# KiCad board Soldered Inkplate 4 TEMPERA with glass panel_panel.kicad_pcb
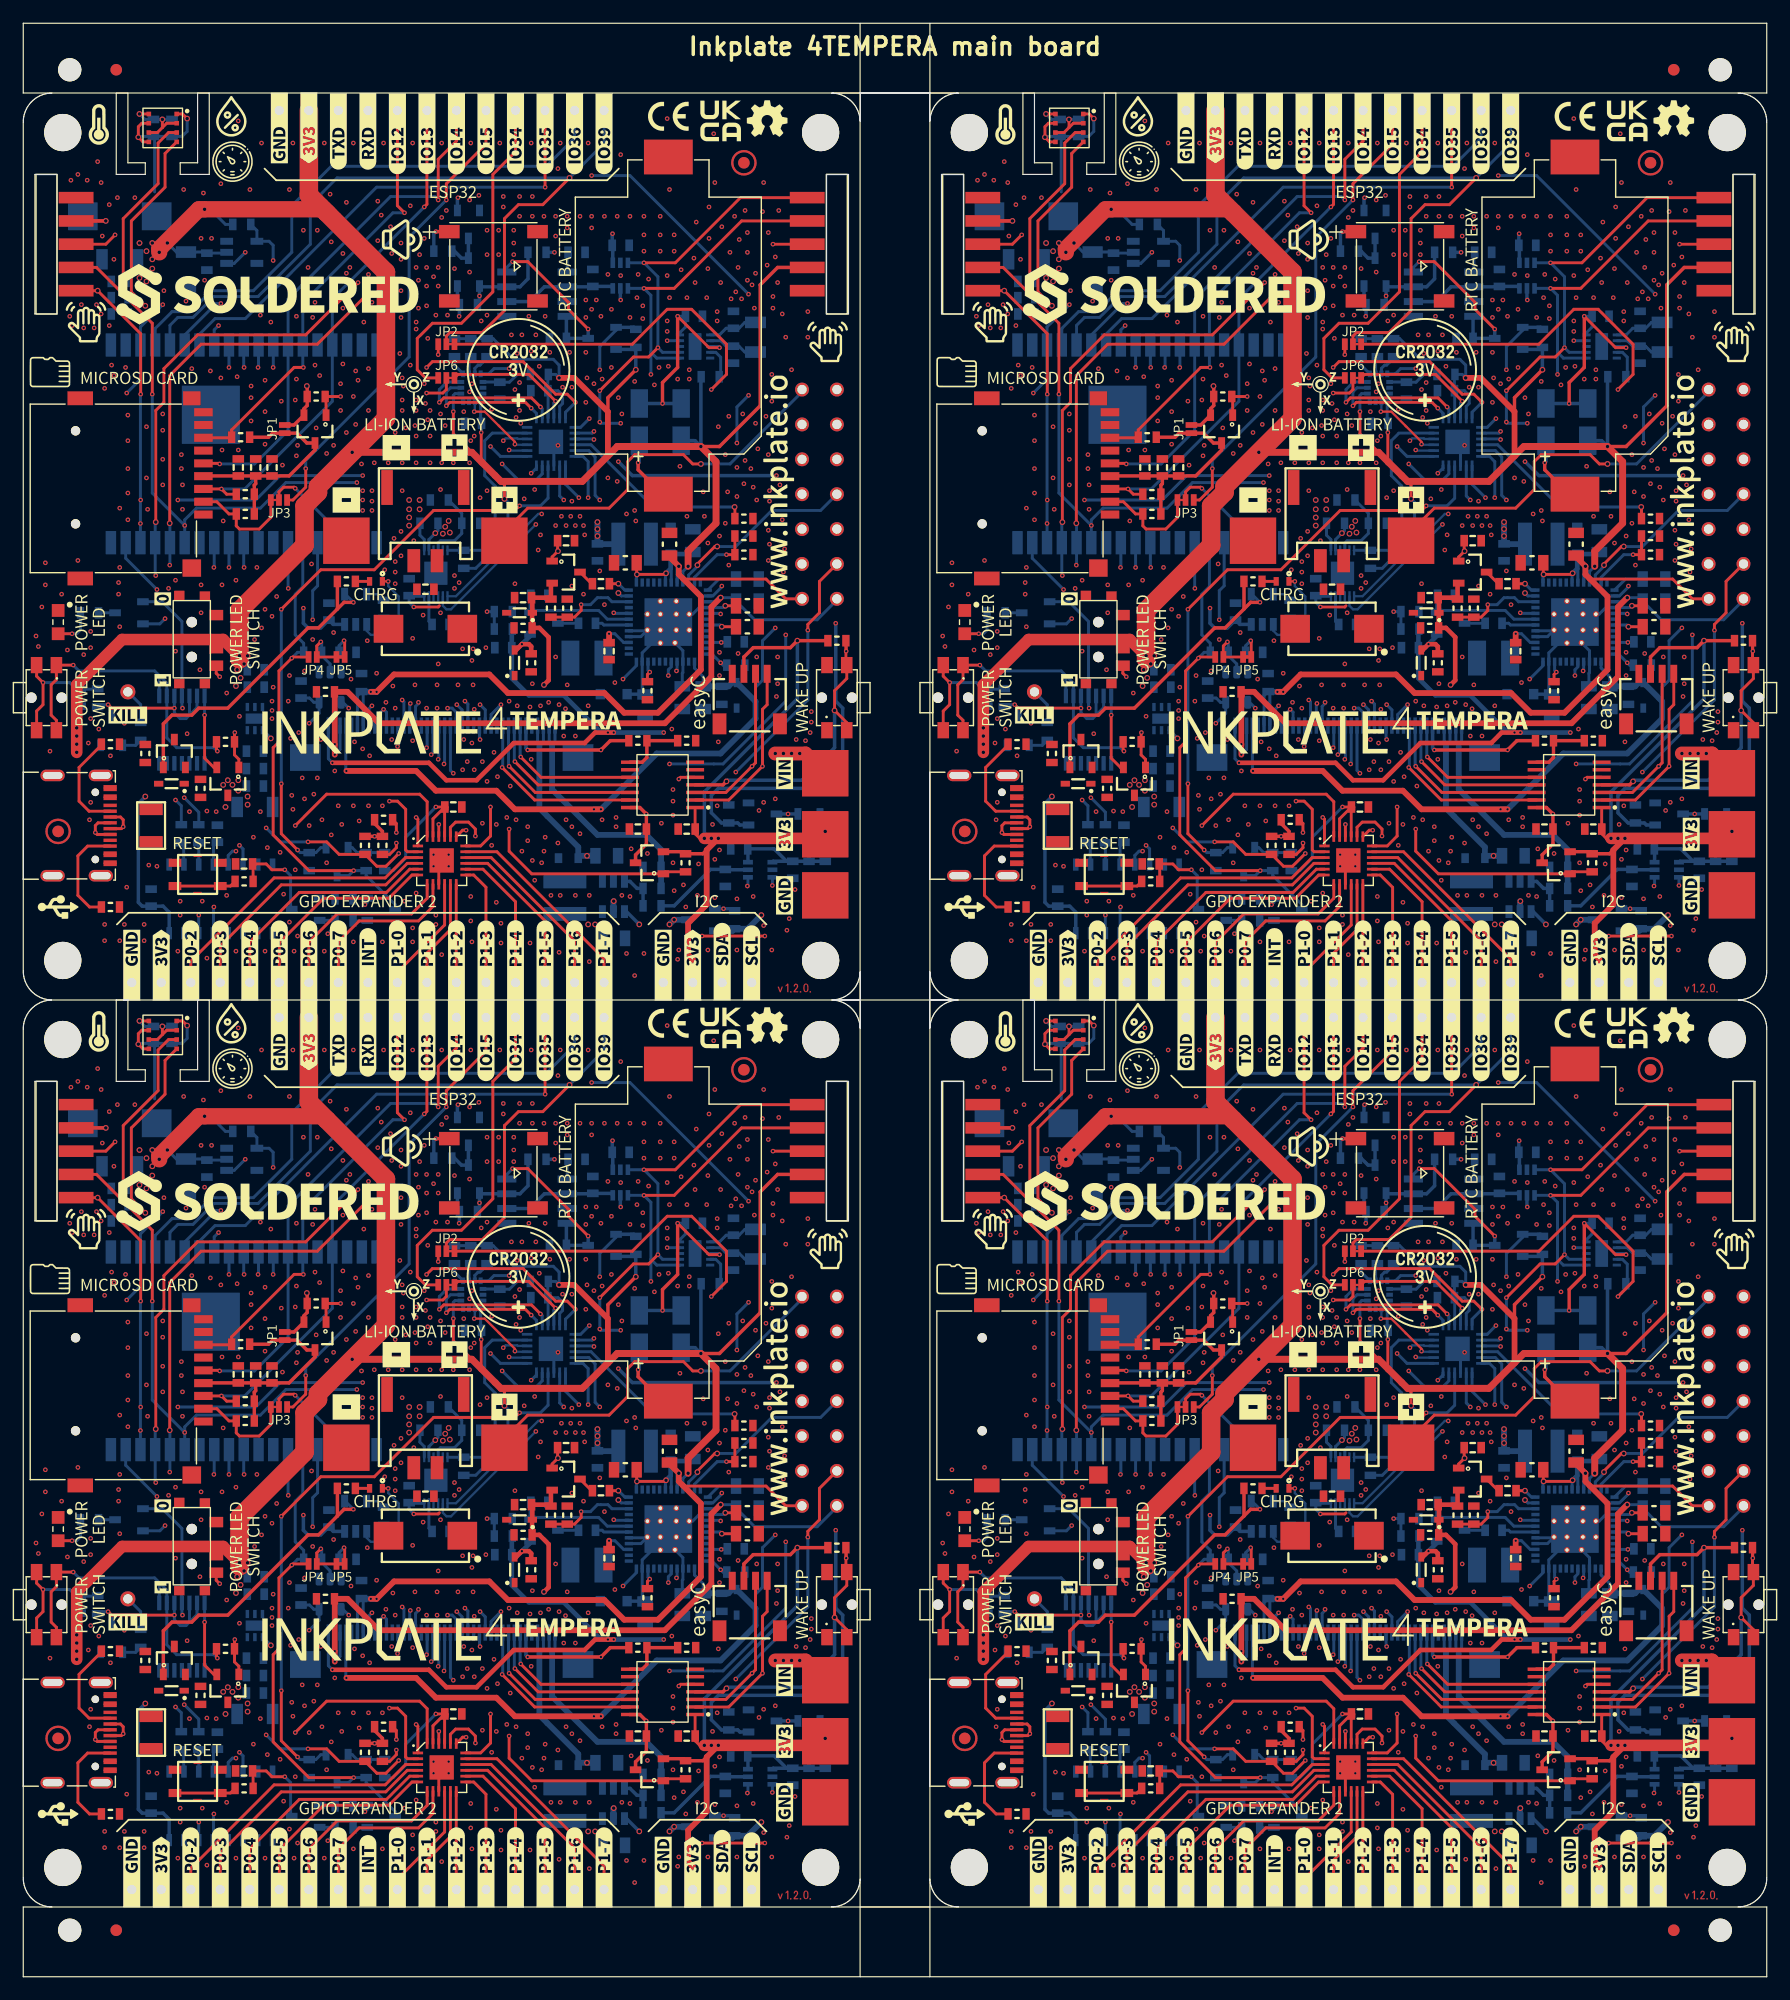
[diagram p0: board, top side]
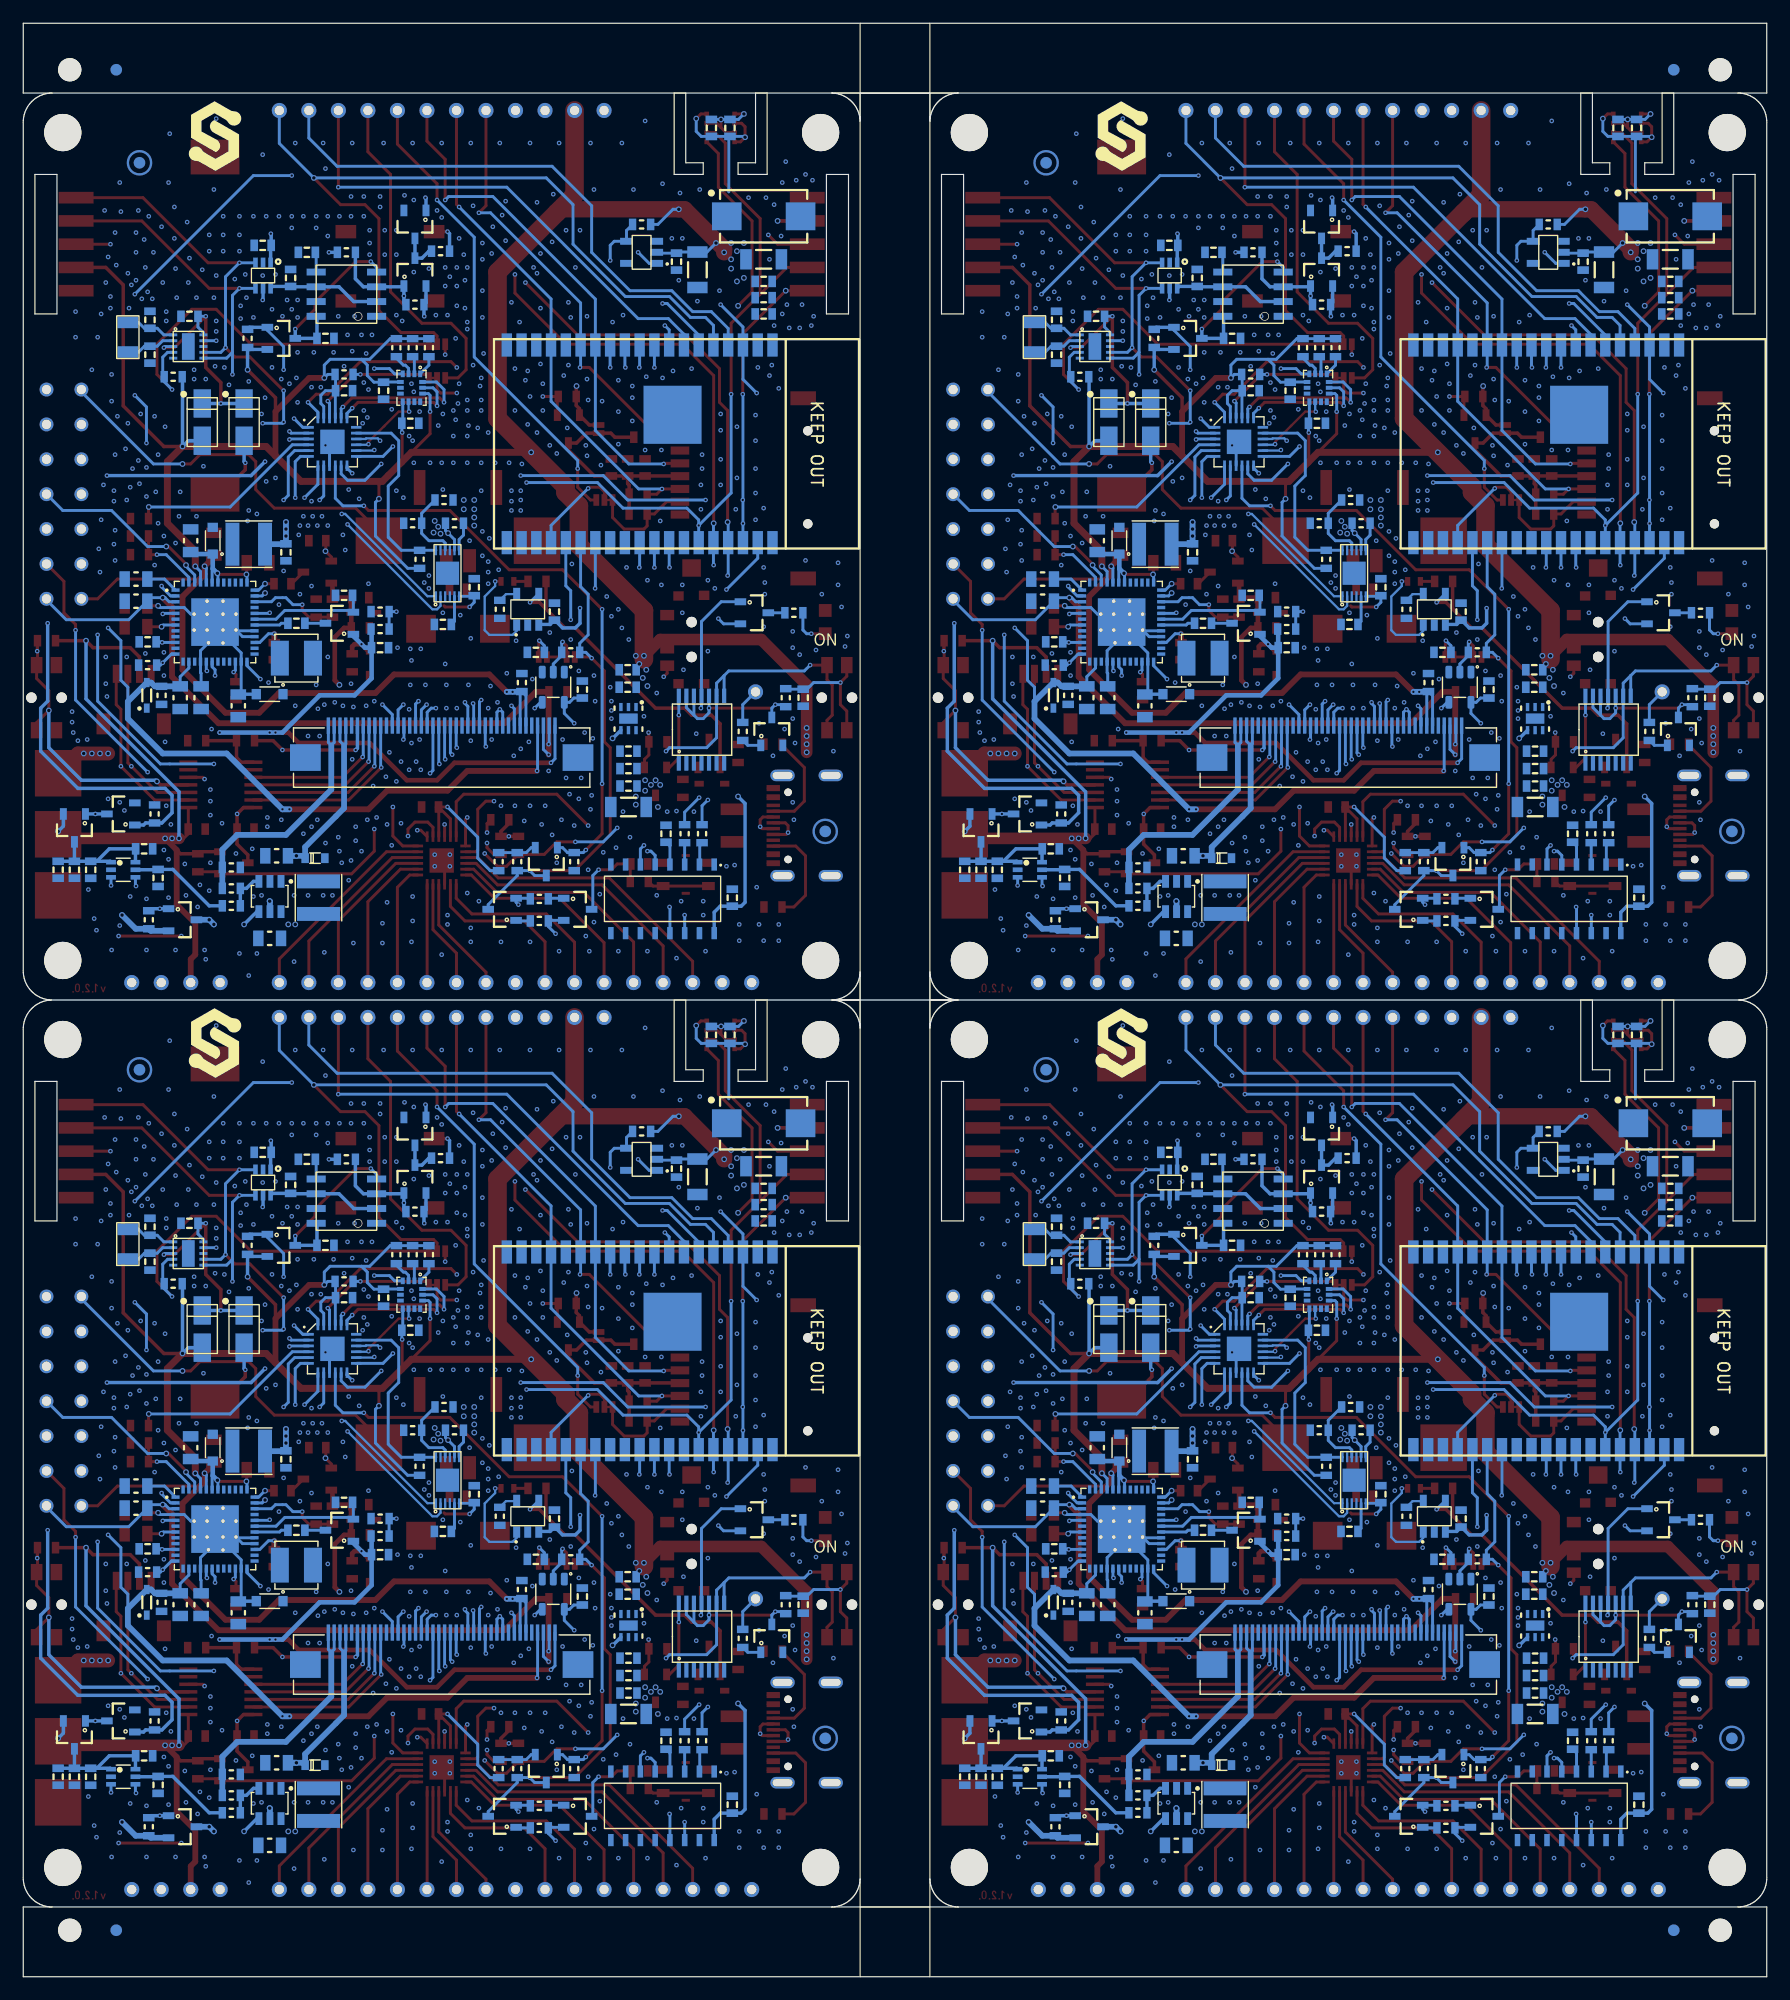
[diagram p1: board, bottom side, seen from below]

Outline 150 x 168 mm; copper layers: Top, In1.Cu, In2.Cu, Bottom. Coordinates in mm from the lower left corner of the outline.
Outline path: 2.46,162 0,162 0,168 150,168 150,162 147.54,162 ; 2.46,162 2.37,162 2.25,161.99 2.12,161.97 2,161.95 1.87,161.92 1.75,161.89 1.63,161.85 1.51,161.8 1.4,161.75 1.29,161.69 1.18,161.62 1.07,161.55 0.97,161.48 0.87,161.4 0.78,161.31 0.69,161.22 0.6,161.13 0.52,161.03 0.45,160.93 0.38,160.82 0.31,160.71 0.26,160.6 0.2,160.49 0.16,160.37 0.11,160.25 0.08,160.13 0.05,160 0.03,159.88 0.01,159.75 0,159.63 0,159.5 0,86.5 0,86.37 0.01,86.25 0.03,86.12 0.05,86 0.08,85.87 0.11,85.75 0.16,85.63 0.2,85.51 0.26,85.4 0.31,85.29 0.38,85.18 0.45,85.07 0.52,84.97 0.6,84.87 0.69,84.78 0.78,84.69 0.87,84.6 0.97,84.52 1.07,84.45 1.18,84.38 1.29,84.31 1.4,84.25 1.51,84.2 1.63,84.15 1.75,84.11 1.87,84.08 2,84.05 2.12,84.03 2.25,84.01 2.37,84 2.42,84 147.58,84 147.63,84 147.75,83.99 147.88,83.97 148,83.95 148.13,83.92 148.25,83.89 148.37,83.85 148.49,83.8 148.6,83.75 148.71,83.69 148.82,83.62 148.93,83.55 149.03,83.48 149.13,83.4 149.22,83.31 149.31,83.22 149.4,83.13 149.48,83.03 149.55,82.93 149.62,82.82 149.69,82.71 149.75,82.6 149.8,82.49 149.85,82.37 149.89,82.25 149.92,82.13 149.95,82 149.97,81.88 149.99,81.75 150,81.63 150,81.5 150,8.5 150,8.37 149.99,8.25 149.97,8.12 149.95,8 149.92,7.87 149.89,7.75 149.85,7.63 149.8,7.51 149.75,7.4 149.69,7.29 149.62,7.18 149.55,7.07 149.48,6.97 149.4,6.87 149.31,6.78 149.22,6.69 149.13,6.6 149.03,6.52 148.93,6.45 148.82,6.38 148.71,6.31 148.6,6.25 148.49,6.2 148.37,6.15 148.25,6.11 148.13,6.08 148,6.05 147.88,6.03 147.75,6.01 147.63,6 147.54,6 ; 2.46,162 147.54,162 ; 2.46,6 2.37,6 2.25,6.01 2.12,6.03 2,6.05 1.87,6.08 1.75,6.11 1.63,6.15 1.51,6.2 1.4,6.25 1.29,6.31 1.18,6.38 1.07,6.45 0.97,6.52 0.87,6.6 0.78,6.69 0.69,6.78 0.6,6.87 0.52,6.97 0.45,7.07 0.38,7.18 0.31,7.29 0.26,7.4 0.2,7.51 0.16,7.63 0.11,7.75 0.08,7.87 0.05,8 0.03,8.12 0.01,8.25 0,8.37 0,8.5 0,81.5 0,81.63 0.01,81.75 0.03,81.88 0.05,82 0.08,82.13 0.11,82.25 0.16,82.37 0.2,82.49 0.26,82.6 0.31,82.71 0.38,82.82 0.45,82.93 0.52,83.03 0.6,83.13 0.69,83.22 0.78,83.31 0.87,83.4 0.97,83.48 1.07,83.55 1.18,83.62 1.29,83.69 1.4,83.75 1.51,83.8 1.63,83.85 1.75,83.89 1.87,83.92 2,83.95 2.12,83.97 2.25,83.99 2.37,84 2.42,84 ; 2.46,6 0,6 0,0 150,0 150,6 147.54,6 ; 2.46,6 69.54,6 ; 147.54,162 147.63,162 147.75,161.99 147.88,161.97 148,161.95 148.13,161.92 148.25,161.89 148.37,161.85 148.49,161.8 148.6,161.75 148.71,161.69 148.82,161.62 148.93,161.55 149.03,161.48 149.13,161.4 149.22,161.31 149.31,161.22 149.4,161.13 149.48,161.03 149.55,160.93 149.62,160.82 149.69,160.71 149.75,160.6 149.8,160.49 149.85,160.37 149.89,160.25 149.92,160.13 149.95,160 149.97,159.88 149.99,159.75 150,159.63 150,159.5 150,86.5 150,86.37 149.99,86.25 149.97,86.12 149.95,86 149.92,85.87 149.89,85.75 149.85,85.63 149.8,85.51 149.75,85.4 149.69,85.29 149.62,85.18 149.55,85.07 149.48,84.97 149.4,84.87 149.31,84.78 149.22,84.69 149.13,84.6 149.03,84.52 148.93,84.45 148.82,84.38 148.71,84.31 148.6,84.25 148.49,84.2 148.37,84.15 148.25,84.11 148.13,84.08 148,84.05 147.88,84.03 147.75,84.01 147.63,84 147.58,84 ; 69.54,6 69.63,6 69.75,6.01 69.88,6.03 70,6.05 70.13,6.08 70.25,6.11 70.37,6.15 70.49,6.2 70.6,6.25 70.71,6.31 70.82,6.38 70.93,6.45 71.03,6.52 71.13,6.6 71.22,6.69 71.31,6.78 71.4,6.87 71.48,6.97 71.55,7.07 71.62,7.18 71.69,7.29 71.75,7.4 71.8,7.51 71.85,7.63 71.89,7.75 71.92,7.87 71.95,8 71.97,8.12 71.99,8.25 72,8.37 72,8.42 ; 69.54,6 80.46,6 ; 72,0 72,168 ; 72,6 78,6 ; 78,168 78,0 ; 78,8.42 78,8.37 78.01,8.25 78.03,8.12 78.05,8 78.08,7.87 78.11,7.75 78.16,7.63 78.2,7.51 78.26,7.4 78.31,7.29 78.38,7.18 78.45,7.07 78.52,6.97 78.6,6.87 78.69,6.78 78.78,6.69 78.87,6.6 78.97,6.52 79.07,6.45 79.18,6.38 79.29,6.31 79.4,6.25 79.51,6.2 79.63,6.15 79.75,6.11 79.87,6.08 80,6.05 80.12,6.03 80.25,6.01 80.37,6 80.46,6 ; 80.46,6 147.54,6 ; 1,155 2.9,155 2.9,143 1,143 1,155 ; 1,77 2.9,77 2.9,65 1,65 1,77 ; 8,162 9,162 9,156 10.5,156 10.5,155 8,155 8,162 ; 8,84 9,84 9,78 10.5,78 10.5,77 8,77 8,84 ; 13.5,156 15,156 15,162 16,162 16,155 13.5,155 13.5,156 ; 13.5,78 15,78 15,84 16,84 16,77 13.5,77 13.5,78 ; 69.1,155 71,155 71,143 69.1,143 69.1,155 ; 69.1,77 71,77 71,65 69.1,65 69.1,77 ; 69.54,162 80.46,162 80.37,162 80.25,161.99 80.12,161.97 80,161.95 79.87,161.92 79.75,161.89 79.63,161.85 79.51,161.8 79.4,161.75 79.29,161.69 79.18,161.62 79.07,161.55 78.97,161.48 78.87,161.4 78.78,161.31 78.69,161.22 78.6,161.13 78.52,161.03 78.45,160.93 78.38,160.82 78.31,160.71 78.26,160.6 78.2,160.49 78.16,160.37 78.11,160.25 78.08,160.13 78.05,160 78.03,159.88 78.01,159.75 78,159.63 78,159.58 78,162 72,162 72,159.58 72,159.63 71.99,159.75 71.97,159.88 71.95,160 71.92,160.13 71.89,160.25 71.85,160.37 71.8,160.49 71.75,160.6 71.69,160.71 71.62,160.82 71.55,160.93 71.48,161.03 71.4,161.13 71.31,161.22 71.22,161.31 71.13,161.4 71.03,161.48 70.93,161.55 70.82,161.62 70.71,161.69 70.6,161.75 70.49,161.8 70.37,161.85 70.25,161.89 70.13,161.92 70,161.95 69.88,161.97 69.75,161.99 69.63,162 69.54,162 ; 69.58,84 69.63,84 69.75,84.01 69.88,84.03 70,84.05 70.13,84.08 70.25,84.11 70.37,84.15 70.49,84.2 70.6,84.25 70.71,84.31 70.82,84.38 70.93,84.45 71.03,84.52 71.13,84.6 71.22,84.69 71.31,84.78 71.4,84.87 71.48,84.97 71.55,85.07 71.62,85.18 71.69,85.29 71.75,85.4 71.8,85.51 71.85,85.63 71.89,85.75 71.92,85.87 71.95,86 71.97,86.12 71.99,86.25 72,86.37 72,86.42 72,84 69.58,84 ; 69.58,84 72,84 72,81.58 72,81.63 71.99,81.75 71.97,81.88 71.95,82 71.92,82.13 71.89,82.25 71.85,82.37 71.8,82.49 71.75,82.6 71.69,82.71 71.62,82.82 71.55,82.93 71.48,83.03 71.4,83.13 71.31,83.22 71.22,83.31 71.13,83.4 71.03,83.48 70.93,83.55 70.82,83.62 70.71,83.69 70.6,83.75 70.49,83.8 70.37,83.85 70.25,83.89 70.13,83.92 70,83.95 69.88,83.97 69.75,83.99 69.63,84 69.58,84 ; 78,86.42 78,86.37 78.01,86.25 78.03,86.12 78.05,86 78.08,85.87 78.11,85.75 78.16,85.63 78.2,85.51 78.26,85.4 78.31,85.29 78.38,85.18 78.45,85.07 78.52,84.97 78.6,84.87 78.69,84.78 78.78,84.69 78.87,84.6 78.97,84.52 79.07,84.45 79.18,84.38 79.29,84.31 79.4,84.25 79.51,84.2 79.63,84.15 79.75,84.11 79.87,84.08 80,84.05 80.12,84.03 80.25,84.01 80.37,84 80.42,84 78,84 78,86.42 ; 78,84 80.42,84 80.37,84 80.25,83.99 80.12,83.97 80,83.95 79.87,83.92 79.75,83.89 79.63,83.85 79.51,83.8 79.4,83.75 79.29,83.69 79.18,83.62 79.07,83.55 78.97,83.48 78.87,83.4 78.78,83.31 78.69,83.22 78.6,83.13 78.52,83.03 78.45,82.93 78.38,82.82 78.31,82.71 78.26,82.6 78.2,82.49 78.16,82.37 78.11,82.25 78.08,82.13 78.05,82 78.03,81.88 78.01,81.75 78,81.63 78,81.58 78,84 ; 79,155 80.9,155 80.9,143 79,143 79,155 ; 79,77 80.9,77 80.9,65 79,65 79,77 ; 86,162 87,162 87,156 88.5,156 88.5,155 86,155 86,162 ; 86,84 87,84 87,78 88.5,78 88.5,77 86,77 86,84 ; 91.5,156 93,156 93,162 94,162 94,155 91.5,155 91.5,156 ; 91.5,78 93,78 93,84 94,84 94,77 91.5,77 91.5,78 ; 147.1,155 149,155 149,143 147.1,143 147.1,155 ; 147.1,77 149,77 149,65 147.1,65 147.1,77
Stack: Top 0.035mm / dielectric 0.48mm FR4 er 4.5 / In1.Cu 0.035mm / dielectric 0.48mm FR4 er 4.5 / In2.Cu 0.035mm / dielectric 0.48mm FR4 er 4.5 / Bottom 0.035mm

## Placement (name value [footprint] x y rotation side)
C1  4u7-TMK212AB7475KG-T  [0805C]  140.3 42.2 180 bottom
C1#2  4u7-TMK212AB7475KG-T  [0805C]  140.3 120.2 180 bottom
C1#3  4u7-TMK212AB7475KG-T  [0805C]  62.3 120.2 180 bottom
C1#4  4u7-TMK212AB7475KG-T  [0805C]  62.3 42.2 180 bottom
C2  4u7-TMK212AB7475KG-T  [0805C]  140.3 118.3 180 bottom
C2#2  4u7-TMK212AB7475KG-T  [0805C]  140.3 40.3 180 bottom
C2#3  4u7-TMK212AB7475KG-T  [0805C]  62.3 118.3 180 bottom
C2#4  4u7-TMK212AB7475KG-T  [0805C]  62.3 40.3 180 bottom
C3  4u7-TMK212AB7475KG-T  [0805C]  140.3 39.9 180 top
C3#2  4u7-TMK212AB7475KG-T  [0805C]  140.3 117.9 180 top
C3#3  4u7-TMK212AB7475KG-T  [0805C]  62.3 117.9 180 top
C3#4  4u7-TMK212AB7475KG-T  [0805C]  62.3 39.9 180 top
C4  4u7-TMK212AB7475KG-T  [0805C]  62.3 116.1 180 top
C4#2  4u7-TMK212AB7475KG-T  [0805C]  62.3 38.1 180 top
C4#3  4u7-TMK212AB7475KG-T  [0805C]  140.3 38.1 180 top
C4#4  4u7-TMK212AB7475KG-T  [0805C]  140.3 116.1 180 top
C5  4u7-TMK212AB7475KG-T  [0805C]  131.5 109.3 90 bottom
C5#2  4u7-TMK212AB7475KG-T  [0805C]  53.5 31.3 90 bottom
C5#3  4u7-TMK212AB7475KG-T  [0805C]  53.5 109.3 90 bottom
C5#4  4u7-TMK212AB7475KG-T  [0805C]  131.5 31.3 90 bottom
C6  10u-GRM188R61E106KA73J  [0603C]  139.3 114.8 180 bottom
C6#2  10u-GRM188R61E106KA73J  [0603C]  139.3 36.8 180 bottom
C6#3  10u-GRM188R61E106KA73J  [0603C]  61.3 114.8 180 bottom
C6#4  10u-GRM188R61E106KA73J  [0603C]  61.3 36.8 180 bottom
C7  4u7-TMK212AB7475KG-T  [0805C]  58.5 110 90 bottom
C7#2  4u7-TMK212AB7475KG-T  [0805C]  136.5 32 90 bottom
C7#3  4u7-TMK212AB7475KG-T  [0805C]  58.5 32 90 bottom
C7#4  4u7-TMK212AB7475KG-T  [0805C]  136.5 110 90 bottom
C8  4u7-TMK212AB7475KG-T  [0805C]  56.7 32 90 bottom
C8#2  4u7-TMK212AB7475KG-T  [0805C]  56.7 110 90 bottom
C8#3  4u7-TMK212AB7475KG-T  [0805C]  134.7 110 90 bottom
C8#4  4u7-TMK212AB7475KG-T  [0805C]  134.7 32 90 bottom
C9  10u-GRM188R61E106KA73J  [0603C]  50.4 114 90 top
C9#2  10u-GRM188R61E106KA73J  [0603C]  128.4 114 90 top
C9#3  10u-GRM188R61E106KA73J  [0603C]  50.4 36 90 top
C9#4  10u-GRM188R61E106KA73J  [0603C]  128.4 36 90 top
C10  10u-GRM188R61E106KA73J  [0603C]  127.4 44.5 90 bottom
C10#2  10u-GRM188R61E106KA73J  [0603C]  127.4 122.5 90 bottom
C10#3  10u-GRM188R61E106KA73J  [0603C]  49.4 44.5 90 bottom
C10#4  10u-GRM188R61E106KA73J  [0603C]  49.4 122.5 90 bottom
C11  4u7-TMK212AB7475KG-T  [0805C]  57.6 123.5 270 bottom
C11#2  4u7-TMK212AB7475KG-T  [0805C]  135.6 45.5 270 bottom
C11#3  4u7-TMK212AB7475KG-T  [0805C]  57.6 45.5 270 bottom
C11#4  4u7-TMK212AB7475KG-T  [0805C]  135.6 123.5 270 bottom
C12  4u7-TMK212AB7475KG-T  [0805C]  129.8 43.6 0 top
C12#2  4u7-TMK212AB7475KG-T  [0805C]  129.8 121.6 0 top
C12#3  4u7-TMK212AB7475KG-T  [0805C]  51.8 43.6 0 top
C12#4  4u7-TMK212AB7475KG-T  [0805C]  51.8 121.6 0 top
C13  4u7-TMK212AB7475KG-T  [0805C]  55.6 45.2 270 top
C13#2  4u7-TMK212AB7475KG-T  [0805C]  133.6 123.2 270 top
C13#3  4u7-TMK212AB7475KG-T  [0805C]  133.6 45.2 270 top
C13#4  4u7-TMK212AB7475KG-T  [0805C]  55.6 123.2 270 top
C14  2u2-GRM188R61E225MA12D  [0603C]  41.3 114.3 0 bottom
C14#2  2u2-GRM188R61E225MA12D  [0603C]  119.3 114.3 0 bottom
C14#3  2u2-GRM188R61E225MA12D  [0603C]  41.3 36.3 0 bottom
C14#4  2u2-GRM188R61E225MA12D  [0603C]  119.3 36.3 0 bottom
C15  2u2-GRM188R61E225MA12D  [0603C]  43 118.6 0 top
C15#2  2u2-GRM188R61E225MA12D  [0603C]  121 118.6 0 top
C15#3  2u2-GRM188R61E225MA12D  [0603C]  43 40.6 0 top
C15#4  2u2-GRM188R61E225MA12D  [0603C]  121 40.6 0 top
C16  10n-AC0603KRX7R8BB103  [0603C]  48.5 116.4 0 bottom
C16#2  10n-AC0603KRX7R8BB103  [0603C]  126.5 116.4 0 bottom
C16#3  10n-AC0603KRX7R8BB103  [0603C]  48.5 38.4 0 bottom
C16#4  10n-AC0603KRX7R8BB103  [0603C]  126.5 38.4 0 bottom
C17  10n-AC0603KRX7R8BB103  [0603C]  127.7 41.8 180 top
C17#2  10n-AC0603KRX7R8BB103  [0603C]  127.7 119.8 180 top
C17#3  10n-AC0603KRX7R8BB103  [0603C]  49.7 119.8 180 top
C17#4  10n-AC0603KRX7R8BB103  [0603C]  49.7 41.8 180 top
C18  100n-AC0603KRX7R8BB104  [0603C]  44.4 118.8 180 bottom
C18#2  100n-AC0603KRX7R8BB104  [0603C]  122.4 40.8 180 bottom
C18#3  100n-AC0603KRX7R8BB104  [0603C]  122.4 118.8 180 bottom
C18#4  100n-AC0603KRX7R8BB104  [0603C]  44.4 40.8 180 bottom
C19  100n-AC0603KRX7R8BB104  [0603C]  46.7 45.5 180 top
C19#2  100n-AC0603KRX7R8BB104  [0603C]  124.7 123.5 180 top
C19#3  100n-AC0603KRX7R8BB104  [0603C]  46.7 123.5 180 top
C19#4  100n-AC0603KRX7R8BB104  [0603C]  124.7 45.5 180 top
C20  10u  [1206C]  97.93 22.6 180 bottom
C20#2  10u  [1206C]  19.93 100.6 180 bottom
C20#3  10u  [1206C]  19.93 22.6 180 bottom
C20#4  10u  [1206C]  97.93 100.6 180 bottom
C21  2u2  [0603C]  97.93 24.4 180 bottom
C21#2  2u2  [0603C]  19.93 24.4 180 bottom
C21#3  2u2  [0603C]  19.93 102.4 180 bottom
C21#4  2u2  [0603C]  97.93 102.4 180 bottom
C22  100n  [0603C]  97.93 25.9 180 bottom
C22#2  100n  [0603C]  19.93 25.9 180 bottom
C22#3  100n  [0603C]  97.93 103.9 180 bottom
C22#4  100n  [0603C]  19.93 103.9 180 bottom
C23  100n  [0603C]  97.93 27.4 180 bottom
C23#2  100n  [0603C]  19.93 27.4 180 bottom
C23#3  100n  [0603C]  19.93 105.4 180 bottom
C23#4  100n  [0603C]  97.93 105.4 180 bottom
C24  2u2  [0603C]  98 34.4 180 bottom
C24#2  2u2  [0603C]  20 112.4 180 bottom
C24#3  2u2  [0603C]  98 112.4 180 bottom
C24#4  2u2  [0603C]  20 34.4 180 bottom
C25  10u  [1206C]  92 146.8 90 bottom
C25#2  10u  [1206C]  14 146.8 90 bottom
C25#3  10u  [1206C]  92 68.8 90 bottom
C25#4  10u  [1206C]  14 68.8 90 bottom
C26  100n  [0603C]  98 110.9 180 bottom
C26#2  100n  [0603C]  20 110.9 180 bottom
C26#3  100n  [0603C]  98 32.9 180 bottom
C26#4  100n  [0603C]  20 32.9 180 bottom
C27  100n  [0603C]  93.8 147.5 90 bottom
C27#2  100n  [0603C]  15.8 69.5 90 bottom
C27#3  100n  [0603C]  15.8 147.5 90 bottom
C27#4  100n  [0603C]  93.8 69.5 90 bottom
C28  470n  [0603C]  113.9 116.3 0 bottom
C28#2  470n  [0603C]  113.9 38.3 0 bottom
C28#3  470n  [0603C]  35.9 116.3 0 bottom
C28#4  470n  [0603C]  35.9 38.3 0 bottom
C29  1u  [0603C]  111.2 41.5 270 bottom
C29#2  1u  [0603C]  33.2 41.5 270 bottom
C29#3  1u  [0603C]  111.2 119.5 270 bottom
C29#4  1u  [0603C]  33.2 119.5 270 bottom
C30  DNP  [2917C]  112.6 115.93 180 top
C30#2  DNP  [2917C]  112.6 37.93 180 top
C30#3  DNP  [2917C]  34.6 37.93 180 top
C30#4  DNP  [2917C]  34.6 115.93 180 top
C31  2u2  [0603C]  34.6 41.32 0 top
C31#2  2u2  [0603C]  112.6 119.33 0 top
C31#3  2u2  [0603C]  34.6 119.33 0 top
C31#4  2u2  [0603C]  112.6 41.32 0 top
C32  100n  [0603C]  89 14.8 270 bottom
C32#2  100n  [0603C]  11 14.8 270 bottom
C32#3  100n  [0603C]  11 92.8 270 bottom
C32#4  100n  [0603C]  89 92.8 270 bottom
C33  100n  [0603C]  94.7 98.3 270 bottom
C33#2  100n  [0603C]  94.7 20.3 270 bottom
C33#3  100n  [0603C]  16.7 20.3 270 bottom
C33#4  100n  [0603C]  16.7 98.3 270 bottom
C34  2u2  [0603C]  19 17.7 0 top
C34#2  2u2  [0603C]  19 95.7 0 top
C34#3  2u2  [0603C]  97 17.7 0 top
C34#4  2u2  [0603C]  97 95.7 0 top
C35  100n  [0603C]  82.9 110 90 bottom
C35#2  100n  [0603C]  4.9 32 90 bottom
C35#3  100n  [0603C]  82.9 32 90 bottom
C35#4  100n  [0603C]  4.9 110 90 bottom
C36  12p  [0603C]  61.1 142.5 270 bottom
C36#2  12p  [0603C]  139.1 142.5 270 bottom
C36#3  12p  [0603C]  61.1 64.5 270 bottom
C36#4  12p  [0603C]  139.1 64.5 270 bottom
C37  12p  [0603C]  61.1 61.5 90 bottom
C37#2  12p  [0603C]  61.1 139.5 90 bottom
C37#3  12p  [0603C]  139.1 61.5 90 bottom
C37#4  12p  [0603C]  139.1 139.5 90 bottom
C38  100n  [0603C]  135.7 64.8 180 bottom
C38#2  100n  [0603C]  135.7 142.8 180 bottom
C38#3  100n  [0603C]  57.7 64.8 180 bottom
C38#4  100n  [0603C]  57.7 142.8 180 bottom
C39  2u2  [0603C]  99.4 51.8 270 top
C39#2  2u2  [0603C]  21.4 51.8 270 top
C39#3  2u2  [0603C]  21.4 129.8 270 top
C39#4  2u2  [0603C]  99.4 129.8 270 top
C40  100n  [0603C]  20 129.8 270 top
C40#2  100n  [0603C]  98 129.8 270 top
C40#3  100n  [0603C]  98 51.8 270 top
C40#4  100n  [0603C]  20 51.8 270 top
C41  100n  [0603C]  18.5 129.8 270 top
C41#2  100n  [0603C]  96.5 129.8 270 top
C41#3  100n  [0603C]  96.5 51.8 270 top
C41#4  100n  [0603C]  18.5 51.8 270 top
C42  100n  [0603C]  135.08 20.7 0 top
C42#2  100n  [0603C]  57.08 20.7 0 top
C42#3  100n  [0603C]  135.08 98.7 0 top
C42#4  100n  [0603C]  57.08 98.7 0 top
C43  4u7  [0603C]  147 17.2 270 bottom
C43#2  4u7  [0603C]  69 17.2 270 bottom
C43#3  4u7  [0603C]  147 95.2 270 bottom
C43#4  4u7  [0603C]  69 95.2 270 bottom
C44  1u  [0603C]  67.6 95.2 270 bottom
C44#2  1u  [0603C]  145.6 95.2 270 bottom
C44#3  1u  [0603C]  145.6 17.2 270 bottom
C44#4  1u  [0603C]  67.6 17.2 270 bottom
C45  100n  [0603C]  66.2 17.2 270 bottom
C45#2  100n  [0603C]  144.2 95.2 270 bottom
C45#3  100n  [0603C]  144.2 17.2 270 bottom
C45#4  100n  [0603C]  66.2 95.2 270 bottom
C46  100p  [0603C]  105.9 113.9 180 bottom
C46#2  100p  [0603C]  105.9 35.9 180 bottom
C46#3  100p  [0603C]  27.9 35.9 180 bottom
C46#4  100p  [0603C]  27.9 113.9 180 bottom
C47  100n  [0603C]  139.6 97 0 bottom
C47#2  100n  [0603C]  61.6 97 0 bottom
C47#3  100n  [0603C]  139.6 19 0 bottom
C47#4  100n  [0603C]  61.6 19 0 bottom
C48  100n  [0603C]  138.4 16.5 90 bottom
C48#2  100n  [0603C]  138.4 94.5 90 bottom
C48#3  100n  [0603C]  60.4 16.5 90 bottom
C48#4  100n  [0603C]  60.4 94.5 90 bottom
C49  100n  [0603C]  130.88 98.7 180 top
C49#2  100n  [0603C]  52.88 20.7 180 top
C49#3  100n  [0603C]  130.88 20.7 180 top
C49#4  100n  [0603C]  52.88 98.7 180 top
C50  CL21B105KBFNNNG  [0805C]  50.2 18.4 180 bottom
C50#2  CL21B105KBFNNNG  [0805C]  128.2 96.4 180 bottom
C50#3  CL21B105KBFNNNG  [0805C]  50.2 96.4 180 bottom
C50#4  CL21B105KBFNNNG  [0805C]  128.2 18.4 180 bottom
C51  100n  [0603C]  101.9 32.7 270 bottom
C51#2  100n  [0603C]  23.9 110.7 270 bottom
C51#3  100n  [0603C]  101.9 110.7 270 bottom
C51#4  100n  [0603C]  23.9 32.7 270 bottom
C52  CL21B105KBFNNNG  [0805C]  128.8 89.3 180 bottom
C52#2  CL21B105KBFNNNG  [0805C]  50.8 89.3 180 bottom
C52#3  CL21B105KBFNNNG  [0805C]  128.8 11.3 180 bottom
C52#4  CL21B105KBFNNNG  [0805C]  50.8 11.3 180 bottom
C53  100n  [0603C]  122.4 58.4 0 bottom
C53#2  100n  [0603C]  44.4 136.4 0 bottom
C53#3  100n  [0603C]  122.4 136.4 0 bottom
C53#4  100n  [0603C]  44.4 58.4 0 bottom
C54  DNP  [2917C]  8.3 73.4 180 bottom
C54#2  DNP  [2917C]  86.3 151.4 180 bottom
C54#3  DNP  [2917C]  8.3 151.4 180 bottom
C54#4  DNP  [2917C]  86.3 73.4 180 bottom
C55  10u  [1206C]  86.3 69.7 0 bottom
C55#2  10u  [1206C]  8.3 147.7 0 bottom
C55#3  10u  [1206C]  8.3 69.7 0 bottom
C55#4  10u  [1206C]  86.3 147.7 0 bottom
C56  2u2  [0603C]  8.3 67.8 0 bottom
C56#2  2u2  [0603C]  86.3 67.8 0 bottom
C56#3  2u2  [0603C]  86.3 145.8 0 bottom
C56#4  2u2  [0603C]  8.3 145.8 0 bottom
C57  100n  [0603C]  86.3 144.4 0 bottom
C57#2  100n  [0603C]  8.3 66.4 0 bottom
C57#3  100n  [0603C]  8.3 144.4 0 bottom
C57#4  100n  [0603C]  86.3 66.4 0 bottom
C58  100n  [0603C]  86.3 65 0 bottom
C58#2  100n  [0603C]  86.3 143 0 bottom
C58#3  100n  [0603C]  8.3 143 0 bottom
C58#4  100n  [0603C]  8.3 65 0 bottom
C59  100n  [0603C]  37 22.6 180 top
C59#2  100n  [0603C]  115 22.6 180 top
C59#3  100n  [0603C]  115 100.6 180 top
C59#4  100n  [0603C]  37 100.6 180 top
C60  100n  [0603C]  129.4 148.9 180 bottom
C60#2  100n  [0603C]  51.4 148.9 180 bottom
C60#3  100n  [0603C]  51.4 70.9 180 bottom
C60#4  100n  [0603C]  129.4 70.9 180 bottom
C61  100n  [0603C]  41 136.4 90 bottom
C61#2  100n  [0603C]  119 136.4 90 bottom
C61#3  100n  [0603C]  41 58.4 90 bottom
C61#4  100n  [0603C]  119 58.4 90 bottom
C62  100n  [0603C]  127 68.1 270 bottom
C62#2  100n  [0603C]  49 68.1 270 bottom
C62#3  100n  [0603C]  49 146.1 270 bottom
C62#4  100n  [0603C]  127 146.1 270 bottom
C63  100n  [0603C]  116.7 55.6 0 bottom
C63#2  100n  [0603C]  38.7 133.6 0 bottom
C63#3  100n  [0603C]  116.7 133.6 0 bottom
C63#4  100n  [0603C]  38.7 55.6 0 bottom
C64  100n  [0603C]  11.2 159 90 bottom
C64#2  100n  [0603C]  11.2 81 90 bottom
C64#3  100n  [0603C]  89.2 81 90 bottom
C64#4  100n  [0603C]  89.2 159 90 bottom
C65  100n  [0603C]  12.8 159 90 bottom
C65#2  100n  [0603C]  12.8 81 90 bottom
C65#3  100n  [0603C]  90.8 81 90 bottom
C65#4  100n  [0603C]  90.8 159 90 bottom
C66  100n  [0603C]  46 62.9 0 bottom
C66#2  100n  [0603C]  124 62.9 0 bottom
C66#3  100n  [0603C]  124 140.9 0 bottom
C66#4  100n  [0603C]  46 140.9 0 bottom
C67  2u2  [0603C]  26.3 117.4 270 bottom
C67#2  2u2  [0603C]  104.3 39.4 270 bottom
C67#3  2u2  [0603C]  104.3 117.4 270 bottom
C67#4  2u2  [0603C]  26.3 39.4 270 bottom
C68  100n  [0603C]  125.6 70.3 180 bottom
C68#2  100n  [0603C]  47.6 148.3 180 bottom
C68#3  100n  [0603C]  47.6 70.3 180 bottom
C68#4  100n  [0603C]  125.6 148.3 180 bottom
D1  CUS10F30,H3F  [SOD-323-2]  50.8 32.3 0 bottom
D1#2  CUS10F30,H3F  [SOD-323-2]  128.8 110.3 0 bottom
D1#3  CUS10F30,H3F  [SOD-323-2]  128.8 32.3 0 bottom
D1#4  CUS10F30,H3F  [SOD-323-2]  50.8 110.3 0 bottom
D2  CUS10F30,H3F  [SOD-323-2]  55.7 45.5 90 bottom
D2#2  CUS10F30,H3F  [SOD-323-2]  55.7 123.5 90 bottom
D2#3  CUS10F30,H3F  [SOD-323-2]  133.7 45.5 90 bottom
D2#4  CUS10F30,H3F  [SOD-323-2]  133.7 123.5 90 bottom
D3  BAT20J  [SOD-323]  120.7 117.3 180 top
D3#2  BAT20J  [SOD-323]  120.7 39.3 180 top
D3#3  BAT20J  [SOD-323]  42.7 39.3 180 top
D3#4  BAT20J  [SOD-323]  42.7 117.3 180 top
D4  BAT20J  [SOD-323]  61.38 32.2 90 bottom
D4#2  BAT20J  [SOD-323]  139.38 110.2 90 bottom
D4#3  BAT20J  [SOD-323]  139.38 32.2 90 bottom
D4#4  BAT20J  [SOD-323]  61.38 110.2 90 bottom
D5  BAT20J  [SOD-323]  120.28 35 90 top
D5#2  BAT20J  [SOD-323]  42.28 35 90 top
D5#3  BAT20J  [SOD-323]  42.28 113 90 top
D5#4  BAT20J  [SOD-323]  120.28 113 90 top
D6  BAT54S  [SOT-23-3]  122.8 38.4 180 bottom
D6#2  BAT54S  [SOT-23-3]  122.8 116.4 180 bottom
D6#3  BAT54S  [SOT-23-3]  44.8 38.4 180 bottom
D6#4  BAT54S  [SOT-23-3]  44.8 116.4 180 bottom
D7  BAT54S  [SOT-23-3]  46.7 120.8 180 top
D7#2  BAT54S  [SOT-23-3]  46.7 42.8 180 top
D7#3  BAT54S  [SOT-23-3]  124.7 120.8 180 top
D7#4  BAT54S  [SOT-23-3]  124.7 42.8 180 top
D8  RED  [0402LED]  30.35 42 180 top
D8#2  RED  [0402LED]  30.35 120 180 top
D8#3  RED  [0402LED]  108.35 42 180 top
D8#4  RED  [0402LED]  108.35 120 180 top
D9  0603LED_SIDE  [LTST-S270GKT]  81 38.5 90 top
D9#2  0603LED_SIDE  [LTST-S270GKT]  3 38.5 90 top
D9#3  0603LED_SIDE  [LTST-S270GKT]  81 116.5 90 top
D9#4  0603LED_SIDE  [LTST-S270GKT]  3 116.5 90 top
D10  BAT20J  [SOD-323]  90.75 102.6 180 top
D10#2  BAT20J  [SOD-323]  12.75 102.6 180 top
D10#3  BAT20J  [SOD-323]  90.75 24.6 180 top
D10#4  BAT20J  [SOD-323]  12.75 24.6 180 top
D11  -  [M4_DIODA]  56.6 55.7 90 bottom
D11#2  -  [M4_DIODA]  134.6 55.7 90 bottom
D11#3  -  [M4_DIODA]  134.6 133.7 90 bottom
D11#4  -  [M4_DIODA]  56.6 133.7 90 bottom
D12  -  [M4_DIODA]  53 133.7 90 bottom
D12#2  -  [M4_DIODA]  131 133.7 90 bottom
D12#3  -  [M4_DIODA]  53 55.7 90 bottom
D12#4  -  [M4_DIODA]  131 55.7 90 bottom
D13  RB510SM-40FHT2R  [SOD-523]  46.9 96.2 90 bottom
D13#2  RB510SM-40FHT2R  [SOD-523]  124.9 18.2 90 bottom
D13#3  RB510SM-40FHT2R  [SOD-523]  46.9 18.2 90 bottom
D13#4  RB510SM-40FHT2R  [SOD-523]  124.9 96.2 90 bottom
F1  1206FUSE-500mA  [1206FUSE]  89 99 270 top
F1#2  1206FUSE-500mA  [1206FUSE]  11 99 270 top
F1#3  1206FUSE-500mA  [1206FUSE]  11 21 270 top
F1#4  1206FUSE-500mA  [1206FUSE]  89 21 270 top
FD1  FIDUCIAL  [FIDUCIAL_23]  3 98.5 0 top
FD1#2  FIDUCIAL  [FIDUCIAL_23]  81 98.5 0 top
FD1#3  FIDUCIAL  [FIDUCIAL_23]  81 20.5 0 top
FD1#4  FIDUCIAL  [FIDUCIAL_23]  3 20.5 0 top
FD2  FIDUCIAL  [FIDUCIAL_23]  62 156 0 top
FD2#2  FIDUCIAL  [FIDUCIAL_23]  62 78 0 top
FD2#3  FIDUCIAL  [FIDUCIAL_23]  140 156 0 top
FD2#4  FIDUCIAL  [FIDUCIAL_23]  140 78 0 top
FD3  FIDUCIAL  [FIDUCIAL_23]  140 78 180 bottom
FD3#2  FIDUCIAL  [FIDUCIAL_23]  140 156 180 bottom
FD3#3  FIDUCIAL  [FIDUCIAL_23]  62 156 180 bottom
FD3#4  FIDUCIAL  [FIDUCIAL_23]  62 78 180 bottom
FD4  FIDUCIAL  [FIDUCIAL_23]  81 98.5 180 bottom
FD4#2  FIDUCIAL  [FIDUCIAL_23]  81 20.5 180 bottom
FD4#3  FIDUCIAL  [FIDUCIAL_23]  3 20.5 180 bottom
FD4#4  FIDUCIAL  [FIDUCIAL_23]  3 98.5 180 bottom
G***  LOGO  [Logo-Front-OSH-3.5mm]  142 81.8 0 top
G***#2  LOGO  [Logo-Front-easyC-NewFont]  58.2 31.6 90 top
G***#3  LOGO  [Symbol-front-Pressure]  18 78.1 0 top
G***#4  LOGO  [Symbol-Front-SDcard]  2.3 138 270 top
G***#5  LOGO  [Symbol-front-Pressure]  18 156.1 0 top
G***#6  LOGO  [Symbol-Front-Speaker]  110.6 71.4 0 top
G***#7  LOGO  [Logo-Front-easyC-NewFont]  136.2 31.6 90 top
G***#8  LOGO  [Symbol-Front-Humidity]  95.9 82 0 top
G***#9  LOGO  [Logo-Back-Soldered-6mm]  133.5 80.3 0 top
G***#10  LOGO  [Symbol-Front-Gesture]  147.2 62.6 0 top
G***#11  LOGO  [Symbol-Front-Humidity]  17.9 160 0 top
G***#12  LOGO  [Symbol-Front-Gesture]  69.2 62.6 0 top
G***#13  LOGO  [Logo-Back-Soldered-6mm]  55.5 80.3 0 top
G***#14  LOGO  [Symbol-front-Pressure]  96 156.1 0 top
G***#15  LOGO  [Symbol-Front-Speaker]  32.6 149.4 0 top
G***#16  LOGO  [Logo-Back-Soldered-6mm]  133.5 158.3 0 top
G***#17  LOGO  [Logo-Front-OSH-3.5mm]  64 81.8 0 top
G***#18  LOGO  [Symbol-Front-USB]  81 14 270 top
G***#19  LOGO  [Logo-Front-easyC-NewFont]  58.2 109.6 90 top
G***#20  LOGO  [Logo-Front-OSH-3.5mm]  64 159.8 0 top
G***#21  LOGO  [Symbol-front-Pressure]  96 78.1 0 top
G***#22  LOGO  [Logo-Front-OSH-3.5mm]  142 159.8 0 top
G***#23  LOGO  [Symbol-Front-Humidity]  17.9 82 0 top
G***#24  LOGO  [Symbol-Front-SDcard]  80.3 60 270 top
G***#25  LOGO  [Symbol-Front-Gesture]  69.2 140.6 0 top
G***#26  LOGO  [Symbol-Front-Gesture]  147.2 140.6 0 top
G***#27  LOGO  [Symbol-Front-SDcard]  2.3 60 270 top
G***#28  LOGO  [Symbol-Front-USB]  81 92 270 top
G***#29  LOGO  [Symbol-Front-Temperature]  6.5 81.3 0 top
G***#30  LOGO  [Symbol-Front-Temperature]  6.5 159.3 0 top
G***#31  LOGO  [Symbol-Front-Speaker]  110.6 149.4 0 top
G***#32  LOGO  [Symbol-Front-USB]  3 14 270 top